# KiCad board TRX055.01.01.PB.00.00.kicad_pcb (continued)
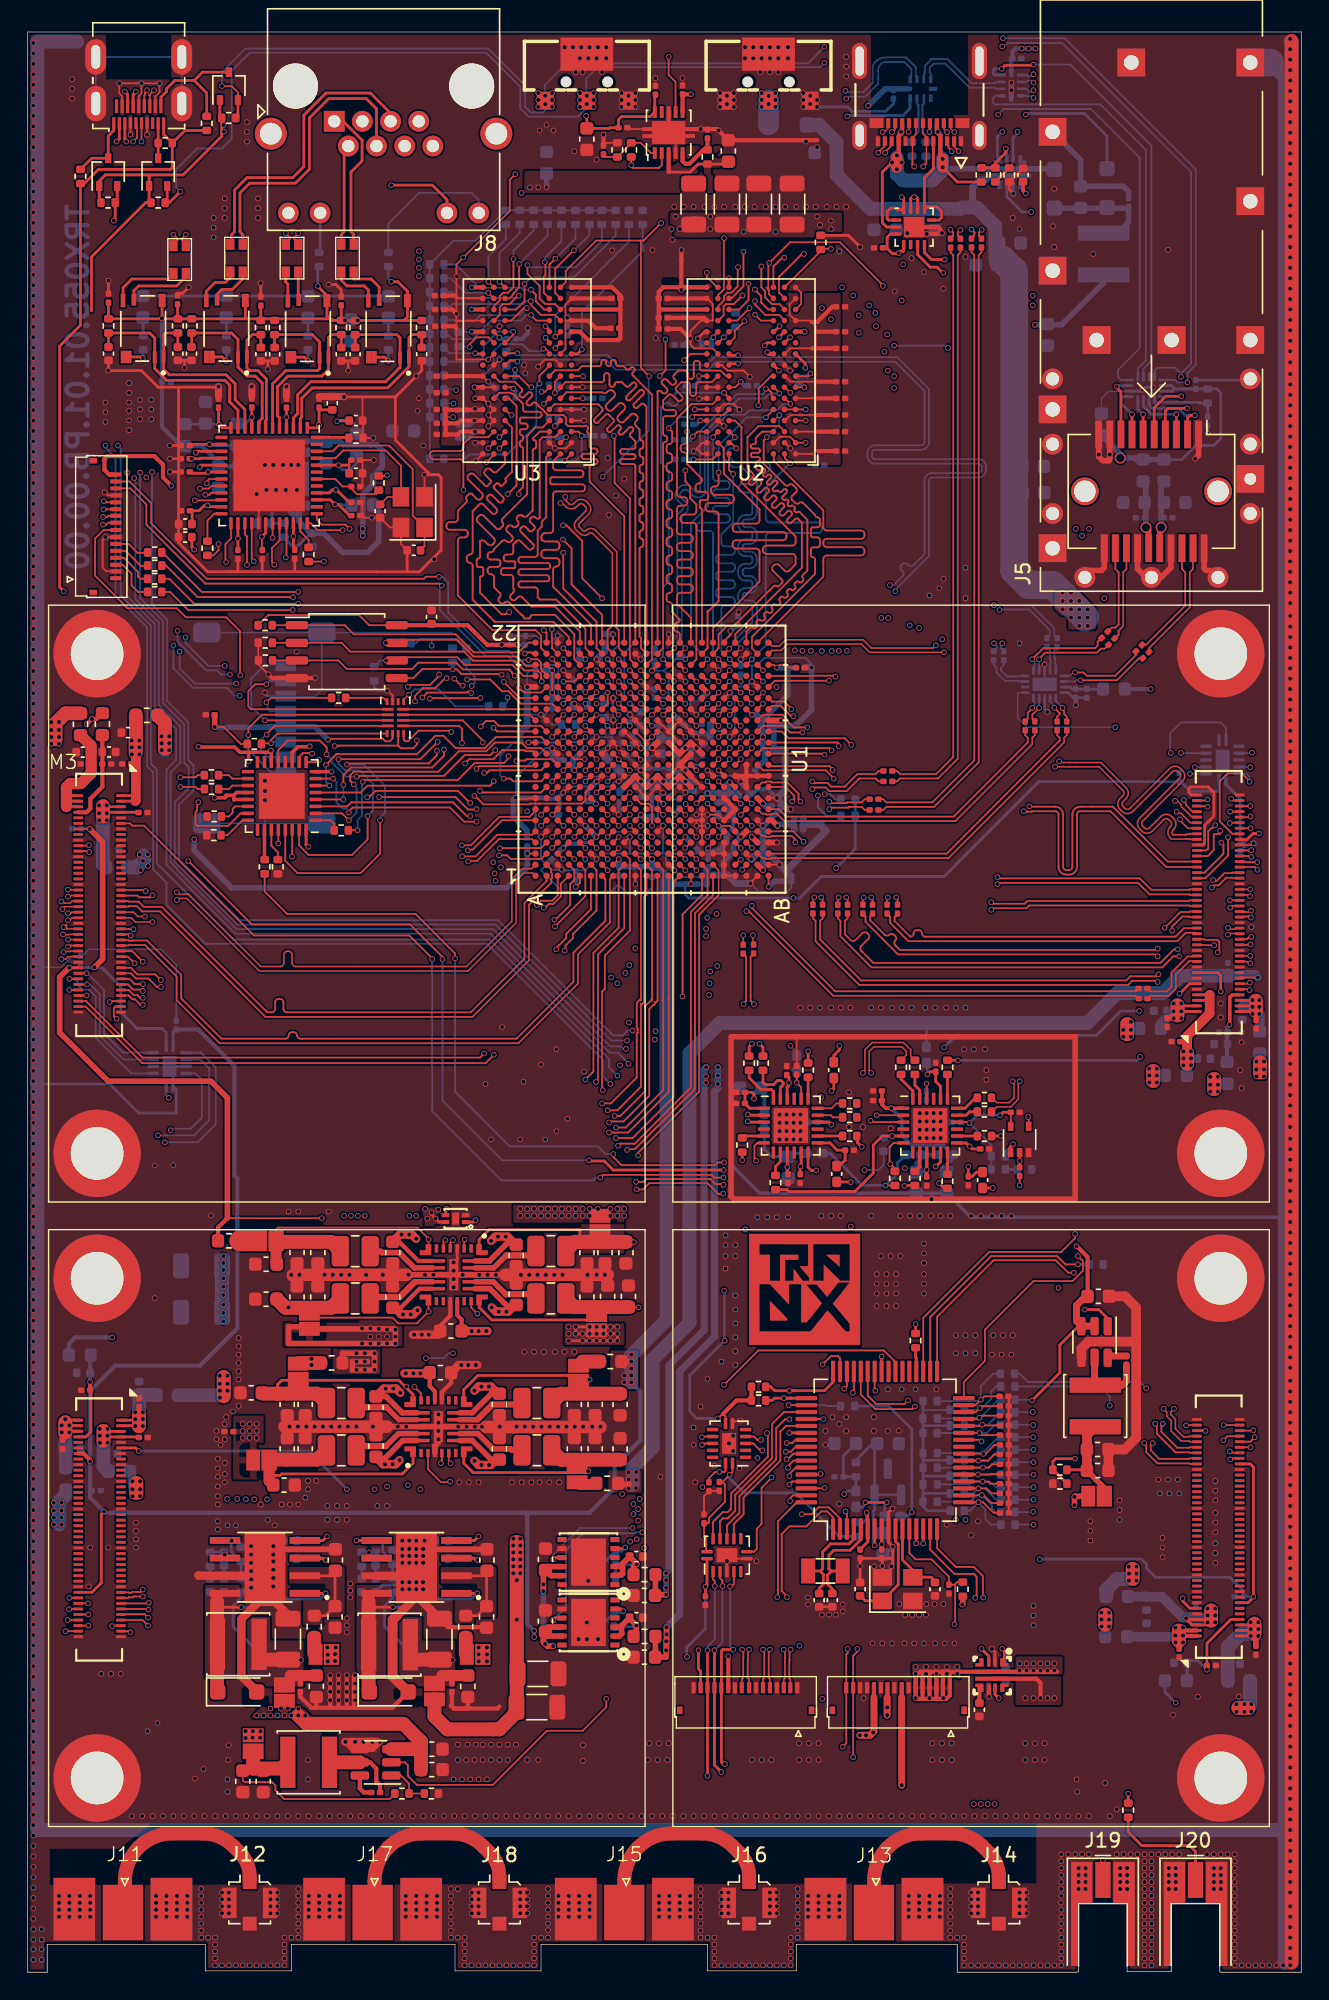
[diagram p0: board, top side]
## Routing (per net, layer and track width the routed paths; a pad name or vN(x,y) marks a point on that pad's centre or on a via; arc(x,y) is an arc through that point) (continued)
/TMDS_CLK_N: length 100.5
  Top w0.12: v1(31.3,81.2) 31.94,81.2 33.99,83.25 36.17,83.25 36.6,83.68 U1.A7
  Top w0.124: v1(9.1,135.6) 8.96,135.46 8.96,135.45 8.76,135.25 8.76,135.24 8.8,135.2 J7.14
  Top w0.127: v1(31.3,81.2) 31.3,81.2
  In2.Cu w0.106: v1(31.3,81.2) 31.24,81.15 22.85,81.15 19.88,84.11 19.88,90.06 20.22,90.4 20.22,96.39 18.4,98.21 14.93,98.21 10.61,102.52 5.78,102.52 5.26,103.05 5.25,103.05 5.05,103.25 5.05,103.26 4.96,103.35 4.96,106.85 arc(5.03,107.02) 5.2,107.09 5.34,107.09 arc(5.51,107.16) 5.58,107.33 5.58,107.45 arc(5.51,107.62) 5.34,107.69 5.2,107.69 arc(5.03,107.76) 4.96,107.93 4.96,109.12 arc(4.81,109.46) 4.47,109.61 arc(4.35,109.66) 4.3,109.78 4.3,110.12 arc(4.35,110.25) 4.47,110.3 arc(4.81,110.44) 4.96,110.78 4.96,112.64 arc(4.81,112.99) 4.47,113.13 arc(4.35,113.18) 4.3,113.3 4.3,113.64 arc(4.35,113.77) 4.47,113.82 5.41,113.82 arc(5.8,113.98) 5.96,114.37 5.96,114.57 arc(5.8,114.96) 5.41,115.13 4.47,115.13 arc(4.35,115.18) 4.3,115.3 4.3,115.64 arc(4.35,115.77) 4.47,115.82 arc(4.81,115.96) 4.96,116.3 4.96,123.6 arc(5.03,123.78) 5.2,123.85 9.56,123.85 arc(9.95,124.01) 10.11,124.4 10.11,124.6 arc(9.95,125) 9.56,125.16 5.2,125.16 arc(5.03,125.23) 4.96,125.4 4.96,125.78 10.06,130.88 10.06,132.66 9,133.71 9,135.5 v1(9.1,135.6)
/TMDS_CLK_P: length 99.8
  Top w0.12: U1.A6 34.19,83 32.07,80.88 31.77,80.88 v1(31.72,80.84)
  Top w0.124: J7.12 8.4,135.2 8.44,135.24 8.44,135.4 8.6,135.56 v1(8.6,135.6)
  Top w0.127: v1(31.72,80.84) 31.73,80.83
  In2.Cu w0.106: v1(31.72,80.84) 22.72,80.84 19.57,83.99 19.57,90.19 19.91,90.53 19.91,96.26 18.27,97.9 14.8,97.9 10.48,102.22 5.65,102.22 4.65,103.22 4.65,109.12 arc(4.6,109.25) 4.47,109.3 arc(4.13,109.44) 3.99,109.78 3.99,110.12 arc(4.13,110.46) 4.47,110.61 arc(4.6,110.66) 4.65,110.78 4.65,112.64 arc(4.6,112.77) 4.47,112.82 arc(4.13,112.96) 3.99,113.3 3.99,113.64 arc(4.13,113.99) 4.47,114.13 5.41,114.13 arc(5.58,114.2) 5.65,114.37 5.65,114.57 arc(5.58,114.75) 5.41,114.82 4.47,114.82 arc(4.13,114.96) 3.99,115.3 3.99,115.64 arc(4.13,115.99) 4.47,116.13 arc(4.6,116.18) 4.65,116.3 4.65,123.6 arc(4.81,124) 5.2,124.16 9.56,124.16 arc(9.73,124.23) 9.8,124.4 9.8,124.6 arc(9.73,124.78) 9.56,124.85 5.2,124.85 arc(4.81,125.01) 4.65,125.4 4.65,125.91 9.75,131.01 9.75,132.53 8.7,133.58 8.7,135.5 v1(8.6,135.6)
/TMDS_D0_N: length 93.1
  Top w0.12: U1.A5 36.36,81.96 33.84,81.96 32.27,80.4 v1(31.31,80.4)
  Top w0.124: J7.11 v1(8.2,131.9)
  In2.Cu w0.106: v1(31.31,80.4) 31.26,80.34 21.95,80.34 18.97,83.32 18.97,95.36 17.16,97.16 14.51,97.16 10,101.68 5.39,101.68 3.76,103.3 3.76,111.02 arc(3.83,111.19) 4,111.26 4.04,111.26 arc(4.21,111.33) 4.28,111.5 4.28,111.62 arc(4.21,111.79) 4.04,111.86 4,111.86 arc(3.83,111.93) 3.76,112.1 3.76,119.11 arc(3.6,119.5) 3.21,119.67 2.95,119.67 arc(2.78,119.74) 2.71,119.91 2.71,120.11 arc(2.78,120.29) 2.95,120.36 3.94,120.36 arc(4.28,120.5) 4.42,120.84 4.42,121.18 arc(4.28,121.53) 3.94,121.67 2.95,121.67 arc(2.78,121.74) 2.71,121.91 2.71,122.11 arc(2.78,122.29) 2.95,122.36 3.94,122.36 arc(4.28,122.5) 4.42,122.84 4.42,123.18 arc(4.28,123.53) 3.94,123.67 2.95,123.67 arc(2.78,123.74) 2.71,123.91 2.71,124.11 arc(2.78,124.29) 2.95,124.36 3.94,124.36 arc(4.28,124.5) 4.42,124.84 4.42,125.18 arc(4.28,125.53) 3.94,125.67 2.95,125.67 arc(2.78,125.74) 2.71,125.91 2.71,126.11 arc(2.78,126.29) 2.95,126.36 3.21,126.36 arc(3.6,126.52) 3.76,126.91 3.76,127.81 5.39,129.44 6.66,129.44 8.05,130.84 8.05,131.75 v1(8.2,131.9)
/TMDS_D0_P: length 93.1
  Top w0.12: U1.A4 36.36,81.64 33.97,81.64 32.4,80.08 31.79,80.08 v1(31.75,80.03)
  Top w0.124: v1(7.6,131.9) 7.87,132.17 7.87,133.15 J7.9
  In2.Cu w0.106: v1(31.75,80.03) 21.82,80.03 18.66,83.19 18.66,95.23 17.04,96.85 14.38,96.85 9.87,101.37 5.26,101.37 3.45,103.17 3.45,119.11 arc(3.38,119.29) 3.21,119.36 2.95,119.36 arc(2.56,119.52) 2.4,119.91 2.4,120.11 arc(2.56,120.5) 2.95,120.67 3.94,120.67 arc(4.06,120.72) 4.11,120.84 4.11,121.18 arc(4.06,121.31) 3.94,121.36 2.95,121.36 arc(2.56,121.52) 2.4,121.91 2.4,122.11 arc(2.56,122.5) 2.95,122.67 3.94,122.67 arc(4.06,122.72) 4.11,122.84 4.11,123.18 arc(4.06,123.31) 3.94,123.36 2.95,123.36 arc(2.56,123.52) 2.4,123.91 2.4,124.11 arc(2.56,124.5) 2.95,124.67 3.94,124.67 arc(4.06,124.72) 4.11,124.84 4.11,125.18 arc(4.06,125.31) 3.94,125.36 2.95,125.36 arc(2.56,125.52) 2.4,125.91 2.4,126.11 arc(2.56,126.5) 2.95,126.67 3.21,126.67 arc(3.38,126.74) 3.45,126.91 3.45,127.94 5.26,129.75 6.53,129.75 7.75,130.97 7.75,131.75 v1(7.6,131.9)
/TMDS_D1_N: length 99.8
  Top w0.127: U1.B7 v1(37,83.4)
  Top w0.2: J7.8 7.6,135.3 v1(7.8,135.5)
  In2.Cu w0.106: v1(7.8,135.5) 7.55,135.25 7.55,135.17 7.56,135.16 7.56,134.42 1.15,128.01 1.15,125.23 arc(1.21,125.08) 1.37,125.01 arc(1.53,124.95) 1.59,124.79 1.59,124.63 arc(1.53,124.48) 1.37,124.41 arc(1.21,124.35) 1.15,124.19 1.15,124.03 arc(1.21,123.88) 1.37,123.81 arc(1.53,123.75) 1.59,123.59 1.59,123.43 arc(1.53,123.28) 1.37,123.21 arc(1.21,123.15) 1.15,122.99 1.15,122.83 arc(1.21,122.68) 1.37,122.61 arc(1.53,122.55) 1.59,122.39 1.59,122.23 arc(1.53,122.08) 1.37,122.01 arc(1.21,121.95) 1.15,121.79 1.15,121.63 arc(1.21,121.48) 1.37,121.41 arc(1.53,121.35) 1.59,121.19 1.59,121.03 arc(1.53,120.88) 1.37,120.81 arc(1.21,120.75) 1.15,120.59 1.15,120.43 arc(1.21,120.28) 1.37,120.21 arc(1.53,120.15) 1.59,119.99 1.59,119.83 arc(1.53,119.68) 1.37,119.61 arc(1.21,119.55) 1.15,119.39 1.15,119.23 arc(1.21,119.08) 1.37,119.01 arc(1.53,118.95) 1.59,118.79 1.59,118.63 arc(1.53,118.48) 1.37,118.41 arc(1.21,118.35) 1.15,118.19 1.15,118.03 arc(1.21,117.88) 1.37,117.81 arc(1.53,117.75) 1.59,117.59 1.59,117.43 arc(1.53,117.28) 1.37,117.21 arc(1.21,117.15) 1.15,116.99 1.15,116.83 arc(1.21,116.68) 1.37,116.61 arc(1.53,116.55) 1.59,116.39 1.59,116.23 arc(1.53,116.08) 1.37,116.01 arc(1.21,115.95) 1.15,115.79 1.15,115.63 arc(1.21,115.48) 1.37,115.41 arc(1.53,115.35) 1.59,115.19 1.59,115.03 arc(1.53,114.88) 1.37,114.81 arc(1.21,114.75) 1.15,114.59 1.15,114.43 arc(1.21,114.28) 1.37,114.21 arc(1.53,114.15) 1.59,113.99 1.59,113.83 arc(1.53,113.68) 1.37,113.61 arc(1.21,113.55) 1.15,113.39 1.15,113.23 arc(1.2,113.11) 1.32,113.06 arc(1.44,113.01) 1.49,112.89 1.49,112.63 arc(1.44,112.51) 1.32,112.46 arc(1.2,112.41) 1.15,112.29 1.15,106.83 arc(1.22,106.67) 1.39,106.59 1.45,106.59 arc(1.62,106.52) 1.69,106.35 1.69,106.23 arc(1.62,106.07) 1.45,105.99 1.39,105.99 arc(1.22,105.92) 1.15,105.75 1.15,105.63 arc(1.21,105.48) 1.37,105.41 arc(1.53,105.35) 1.59,105.19 1.59,105.03 arc(1.53,104.88) 1.37,104.81 arc(1.21,104.75) 1.15,104.59 1.15,104.43 arc(1.21,104.28) 1.37,104.21 arc(1.53,104.15) 1.59,103.99 1.59,103.83 arc(1.53,103.68) 1.37,103.61 arc(1.21,103.55) 1.15,103.39 1.15,102.78 5.06,98.88 10.11,98.88 13.81,95.18 15.1,95.18 16.65,93.63 16.65,81.38 19.57,78.46 32,78.46 33.38,79.84 33.55,79.84
  In4.Cu w0.106: v1(37,83.4) 36.77,83.17 36.52,83.17 34.62,81.26 34.62,81.24 34.39,81.01 34.39,80.33 34.03,79.97 v1(33.55,79.97)
/TMDS_D1_P: length 93.3
  Top w0.127: U1.B6 v1(37,82.6)
  Top w0.2: v1(7,135.5) 7.2,135.3 J7.6
  In2.Cu w0.106: v1(34.1,79.61) 33.77,79.61 33.71,79.56 33.49,79.56 33.27,79.33 33.27,79.29 32.12,78.15 19.44,78.15 16.34,81.25 16.34,93.5 14.97,94.87 13.68,94.87 9.98,98.57 4.93,98.57 0.84,102.65 0.84,128.13 7.26,134.55 7.26,135.04 7.25,135.05 7.25,135.25 v1(7,135.5)
  In4.Cu w0.106: v1(37,82.6) 36.77,82.83 36.66,82.83 34.85,81.03 34.83,81.03 34.69,80.89 34.69,80.2 v1(34.1,79.61)
/TMDS_D2_N: length 95.6
  Top w0.127: v1(34.03,80.97) 34.05,81 37,81 U1.B4
  Top w0.2: J7.5 7,132
  In2.Cu w0.106: v1(7.1,131.9) 6.9,131.7 6.9,131.13 6.24,130.47 5.12,130.47 2.16,127.51 2.16,118.21 arc(2.23,118.04) 2.4,117.97 2.8,117.97 arc(2.97,117.9) 3.04,117.73 3.04,117.61 arc(2.97,117.44) 2.8,117.37 2.4,117.37 arc(2.23,117.3) 2.16,117.13 2.16,117.01 arc(2.23,116.84) 2.4,116.77 2.8,116.77 arc(2.97,116.7) 3.04,116.53 3.04,116.41 arc(2.97,116.24) 2.8,116.17 2.4,116.17 arc(2.23,116.1) 2.16,115.93 2.16,112.47 arc(2.05,112.2) 1.78,112.09 arc(1.73,112.07) 1.7,112.01 1.7,111.47 arc(1.73,111.42) 1.78,111.4 2.66,111.4 arc(3.05,111.23) 3.21,110.84 3.21,110.64 arc(3.05,110.25) 2.66,110.09 1.78,110.09 arc(1.73,110.07) 1.7,110.01 1.7,109.47 arc(1.73,109.42) 1.78,109.4 2.66,109.4 arc(3.05,109.23) 3.21,108.84 3.21,108.64 arc(3.05,108.25) 2.66,108.09 1.78,108.09 arc(1.73,108.07) 1.7,108.01 1.7,107.47 arc(1.73,107.42) 1.78,107.4 2.66,107.4 arc(3.05,107.23) 3.21,106.84 3.21,106.64 arc(3.05,106.25) 2.66,106.09 2.4,106.09 arc(2.23,106.01) 2.16,105.84 2.16,103.21 4.66,100.71 9.62,100.71 14.2,96.14 16.57,96.14 18.22,94.48 18.22,82.38 21.28,79.33 31.94,79.33 33.46,80.85 33.9,80.85 v1(34.03,80.97)
/TMDS_D2_P: length 93.6
  Top w0.127: U1.B3 37.01,80.21 34.82,80.21 34.55,80.47 v1(33.97,80.47)
  Top w0.2: v1(6.4,131.9) 6.6,132.1 J7.3
  In2.Cu w0.106: v1(6.4,131.9) 6.6,131.7 6.6,131.26 6.11,130.78 4.99,130.78 1.85,127.64 1.85,112.47 arc(1.83,112.42) 1.78,112.4 arc(1.51,112.28) 1.4,112.01 1.4,111.47 arc(1.51,111.2) 1.78,111.09 2.66,111.09 arc(2.83,111.01) 2.9,110.84 2.9,110.64 arc(2.83,110.47) 2.66,110.4 1.78,110.4 arc(1.51,110.28) 1.4,110.01 1.4,109.47 arc(1.51,109.2) 1.78,109.09 2.66,109.09 arc(2.83,109.01) 2.9,108.84 2.9,108.64 arc(2.83,108.47) 2.66,108.4 1.78,108.4 arc(1.51,108.28) 1.4,108.01 1.4,107.47 arc(1.51,107.2) 1.78,107.09 2.66,107.09 arc(2.83,107.01) 2.9,106.84 2.9,106.64 arc(2.83,106.47) 2.66,106.4 2.4,106.4 arc(2.01,106.23) 1.85,105.84 1.85,103.08 4.53,100.41 9.49,100.41 14.07,95.83 16.44,95.83 17.92,94.35 17.92,82.25 21.15,79.02 32.06,79.02 33.17,80.12 33.17,80.13 33.39,80.36 33.4,80.36 33.59,80.55 33.9,80.55 v1(33.97,80.47)
/ULPI_REF_CLK_24M: length 2.2
  Top w0.25: U12.26 17.06,80.17 R75.2
/ULPI_RESET: length 2.3
  Top w0.127: U12.27 17.56,81.16 18.03,80.7 R89.2
/USB_C/USB_CC1: length 7.9
  Top w0.2: U25.10 65.69,126.24 65.85,126.4 65.85,126.9 65.55,127.2 64.84,127.2 U25.11 64.64,129.3 65.28,129.94 J9.A5
/USB_C/USB_CC2: length 8.8
  Top w0.127: 63.53,132.81 J9.B5
  Top w0.2: U25.1 62.06,126.24 61.95,126.35 61.95,126.85 62.2,127.1 62.55,127.1 62.65,127 U25.14 63.14,127.83 63.07,127.9 v1(63,127.9)
  In2.Cu w0.2: 62.95,128.14 62.95,129.45 63.5,130 v1(63.5,132.6) ; 62.95,128.01 62.95,128.12 62.96,128.13
/USB_C/USB_IM_N: length 7
  Bottom w0.124: U9.7 69.81,135.7 69.73,135.79 67.89,135.79 66.16,137.52 65.3,137.52 65.01,137.23 65.01,136.87 65.1,136.79 U20.4
/USB_C/USB_IM_P: length 7.7
  Bottom w0.124: U9.8 69.81,136.2 69.73,136.11 68.02,136.11 66.29,137.85 65.6,137.85 65.7,137.85 65.15,137.85 65.07,137.77 65.07,137.75 64.69,137.37 64.69,136.87 64.6,136.79 U20.3
/USB_C/USB_RX1_N: length 40.8
  Top w0.1: 66.2,132.65 66.03,132.82 J9.B10
  In4.Cu w0.106: v1(66.28,132.58) 66.42,132.43 66.42,132.42 66.64,132.2 66.65,132.2 66.91,131.95 67.14,131.95 67.65,131.44 67.65,129.95 70.14,127.46 70.14,100.12 70.95,99.32 70.95,98.11 69.87,97.03 69.87,96.23 69.65,96.01 v1(69.65,95.75)
  Bottom w0.124: v1(69.65,95.75) 69.83,95.57 69.83,95.4 69.63,95.2 C266.2
/USB_C/USB_RX1_P: length 40.7
  Top w0.1: 66.75,132.6 66.53,132.82 J9.B11
  In4.Cu w0.106: v1(66.8,132.58) 66.8,132.49 67.04,132.25 67.26,132.25 67.9,131.62 67.9,131.52 67.95,131.46 67.95,130.08 70.45,127.59 70.45,100.25 71.25,99.45 71.25,97.99 70.17,96.91 70.17,96.23 70.18,96.22 70.18,95.82 v1(70.25,95.75)
  Bottom w0.124: C264.2 70.36,95.2 70.16,95.4 70.16,95.68 70.18,95.7 70.2,95.7 v1(70.25,95.75)
/USB_C/USB_RX2_N: length 12.6
  Top w0.124: 61.8,131.14 62.19,131.53 62.19,131.84 J9.A10 ; v1(68.77,125.54) 68.58,125.35 68.58,125.19 68.55,125.16 68.55,125.14 68.75,124.94 C270.2
  In4.Cu w0.106: v1(68.77,125.54) 68.54,125.77 68.54,127.06 66.25,129.35 62.38,129.35 61.7,130.03 61.7,131 v1(61.8,131.1)
/USB_C/USB_RX2_P: length 12.7
  Top w0.124: C269.2 68.03,124.94 68.23,125.14 68.23,125.29 68.25,125.31 68.25,125.35 v1(68.03,125.57) ; v1(61.3,131.1) 61.44,131.24 61.44,131.25 61.87,131.68 61.87,131.84 J9.A11
  In4.Cu w0.106: v1(68.03,125.57) 68.23,125.77 68.23,126.93 66.12,129.05 62.22,129.05 61.4,129.87 61.4,131 v1(61.3,131.1)
/USB_C/USB_TX1_N: length 40.7
  Top w0.124: J9.A3 66.28,131.73 66.37,131.64 66.37,131.47 66.6,131.24
  In4.Cu w0.106: v1(66.6,131.2) 66.7,131.1 66.7,129.75 69.34,127.11 69.34,99.31 69.75,98.9 69.75,98.6 v1(69.65,98.5)
  Bottom w0.124: v1(69.65,98.5) 69.66,98.51 72.32,98.51 73.99,96.84 73.99,96.32 C265.2
/USB_C/USB_TX1_P: length 40.3
  Top w0.124: J9.A2 66.78,131.73 66.69,131.64 66.69,131.62 66.96,131.35 66.96,131.34 v1(67.1,131.2)
  In4.Cu w0.106: v1(67.1,131.2) 67,131.1 67,129.88 69.65,127.24 69.65,99.5 70.15,99 70.15,98.25 v1(70.05,98.15)
  Bottom w0.124: v1(70.05,98.15) 70.09,98.19 72.18,98.19 73.67,96.7 73.67,96.32 C263.2
/USB_C/USB_TX2_N: length 14.1
  Top w0.124: C268.2 67.23,124.93 67.04,125.12 67.04,125.35 v1(67.23,125.54)
  Top w0.127: v1(62.3,132.58) 62.53,132.81 J9.B3
  In4.Cu w0.106: v1(62.3,132.58) 61.28,131.56 61.26,131.56 60.6,130.9 60.6,130.02 61.96,128.65 65.55,128.65 67.02,127.18 67.02,125.75 v1(67.23,125.54)
/USB_C/USB_TX2_P: length 14
  Top w0.1: J9.B2 62.03,132.88 61.73,132.58
  Top w0.124: v1(66.51,125.55) 66.71,125.35 66.71,125.12 66.52,124.93 C267.2
  In4.Cu w0.106: v1(66.51,125.55) 66.71,125.75 66.71,127.05 65.42,128.35 61.84,128.35 60.29,129.89 60.29,131.03 61.12,131.86 61.14,131.86 61.62,132.34 v1(61.62,132.58)
/USB_C/USBC_DM: length 4.1
  Top w0.1: J9.B6 64.03,132.43 63.78,132.18 J9.A7 63.78,130.22 v1(63.9,130.1)
  Bottom w0.2: v1(63.9,130.1) 63.75,130.25 R17.1
/USB_C/USBC_DP: length 4.2
  Top w0.1: J9.B7 64.53,132.47 64.78,132.22 J9.A6 64.78,130.33 v1(64.55,130.1)
  Bottom w0.2: v1(64.55,130.1) 64.75,130.3 R14.1
/USB_C/VCONN: length 2.2
  Top w0.2: U25.12 64.14,127.81 64,127.95 63.8,127.95 63.64,127.79 U25.13
  vias: v1(63.9,127.9)
/USB_N: length 121
  Top w0.127: R28.1 12.25,85.25 12.1,85.4 v1(11,85.4)
  In4.Cu w0.106: v1(59,135) 58.85,135.15 58.39,135.15 56.35,137.19 56.35,138.44 55.69,139.1 15.76,139.1 13.45,136.79 13.45,128.04 12.81,127.39 5.36,127.39 4.7,126.73 4.7,99.87 5.51,99.05 6.42,99.05 8.89,96.58 8.89,96.12 11.31,93.71 11.31,86.29 11.35,86.25 11.35,85.95 11.31,85.91 11.31,85.71 v1(11,85.4) 11,85.44
  Bottom w0.124: U20.1 63.6,136.55 63.69,136.64 63.69,137.13 63.18,137.64 61.83,137.64 arc(61.65,137.6) 61.5,137.5 arc(61.35,137.28) 61.3,137.02 61.3,136.06 60.37,135.14 59,135.14
/USB_P: length 121.3
  Top w0.127: R27.1 12.25,86.25 12.1,86.1 v1(11,86.1)
  In4.Cu w0.106: 58.85,135.45 v1(58.95,135.55) ; 58.85,135.45 58.85,135.65 ; 58.85,135.45 58.51,135.45 56.65,137.31 56.65,138.56 55.81,139.4 15.64,139.4 13.15,136.91 13.15,128.16 12.68,127.7 5.23,127.7 4.39,126.86 4.39,99.74 5.39,98.75 6.3,98.75 8.59,96.46 8.59,96 11,93.58 v1(11,86.1) 10.98,86.1
  Bottom w0.124: U20.2 64.1,136.55 64.01,136.64 64.01,137.27 63.32,137.97 61.86,137.97 arc(61.45,137.88) 61.1,137.65 arc(60.95,137.43) 60.9,137.17 60.9,136.13 60.24,135.46 59,135.46
/USB_REF_CLK_N: length 89.6
  Top w0.106: R80.2 69.52,63 69.87,62.65 70.74,62.65 71.1,63.01 71.1,64.1 v1(71,64.2)
  Top w0.124: 71.09,64.11 v1(71,64.2)
  In4.Cu w0.106: v1(72.5,135.05) 72.62,135.17 76.3,135.17 78.25,133.22 78.25,126.86 76.64,125.25 72.84,125.25 71.35,123.77 71.35,100.68 72.55,99.49 72.55,95.91 70.8,94.16 70.8,88.59 74.25,85.13 74.25,72.32 70.5,68.56 70.5,65.27 71.1,64.67 71.1,64.3 v1(71,64.2) 71.1,64.1
  Bottom w0.124: U9.4 71.99,135.2 72.03,135.16 72.39,135.16 v1(72.5,135.05)
/USB_REF_CLK_P: length 90.5
  Top w0.106: R81.2 69.52,62 69.87,62.35 70.86,62.35 71.4,62.89 71.4,64.1 v1(71.5,64.2)
  Top w0.124: 71.41,64.11 v1(71.5,64.2)
  In4.Cu w0.106: v1(72.5,135.6) 72.62,135.48 76.45,135.48 78.55,133.38 78.55,126.74 76.76,124.95 72.96,124.95 71.67,123.65 71.67,100.8 72.85,99.61 72.85,95.79 71.1,94.04 71.1,88.71 74.56,85.26 74.56,72.19 70.8,68.44 70.8,65.43 71.4,64.83 71.4,64.3 v1(71.5,64.2) 71.4,64.1
  Bottom w0.124: 72.39,135.49 72.2,135.49 71.99,135.7 U9.3
/USB_RX2_N: length 3.3
  Bottom w0.124: C266.1 69.63,94.18 69.83,93.98 69.83,93.66 70.45,93.04 71.42,93.04 71.45,93 U26.8
/USB_RX2_P: length 2.8
  Bottom w0.124: U26.9 71.45,93.4 71.42,93.36 70.59,93.36 70.16,93.79 70.16,93.98 70.36,94.18 C264.1
/USB_SPEC_N: length 79
  Top w0.127: v1(88.07,70.78) 88.03,70.83 M1.10
  In4.Cu w0.106: v1(72.5,136.75) 72.65,136.6 77.16,136.6 82,131.76 82,128.31 90,120.31 90,71.74 89.16,70.9 88.2,70.9 v1(88.07,70.78)
  Bottom w0.124: v1(72.5,136.75) 72.36,136.61 72.07,136.61 71.99,136.7 U9.1
/USB_SPEC_P: length 78
  Top w0.127: M1.12 88.03,71.22 v1(88.1,71.3)
  In4.Cu w0.106: v1(72.5,136.15) 72.65,136.3 77.04,136.3 81.7,131.64 81.7,128.19 89.7,120.19 89.7,71.86 89.04,71.2 88.2,71.2 v1(88.1,71.3)
  Bottom w0.124: U9.2 71.99,136.2 72.07,136.29 72.36,136.29 v1(72.5,136.15)
/USB_SW_S1: length 45.5
  In4.Cu w0.127: v1(59.08,133.72) 59.15,133.8 69.9,133.8 v1(69.95,133.85)
  Bottom w0.127: U22.8 78.83,114.72 78.6,114.95 78.6,115.45 80.15,117 80.15,130.75 76.65,134.25 70.35,134.25 v1(69.95,133.85)
  Bottom w0.2: 63.6,135.03 63.6,134.28 63.09,133.78 59.1,133.78
/USB_SW_S2: length 31.9
  Top w0.2: 72.55,137.5 72.45,137.4 70.45,137.4 v1(70.2,137.15)
  Bottom w0.127: U22.10 80.43,115.53 81,116.1 81,131.6 75.15,137.45 v1(72.5,137.45)
  Bottom w0.2: v1(70.2,137.15) 69.7,137.15 69.6,137.05 69.6,136.77 69.67,136.7 U9.9
/USB_SW_S2_OE: length 30
  Bottom w0.127: U9.6 69.76,135.2 69.59,135.03 69.59,134.69 69.7,134.58 77.32,134.58 80.6,131.3 80.6,116.13 80.03,115.56 U22.9
/USB_TX2_N: length 1.8
  Bottom w0.124: C265.1 74,95.28 74,94.74 74.06,94.68 74.06,94.28 74.1,94.25 U26.14
/USB_TX2_P: length 1.8
  Bottom w0.124: U26.13 73.7,94.25 73.74,94.28 73.74,94.55 73.68,94.61 73.68,95.28 73.47,95.48
/USB_VUSB: length 33.8
  Top w0.127: 65.64,132.65 v1(65.6,132.6)
  Top w0.2: U25.2 61.91,125.74 61.62,126.03 61.62,126.19 61.6,126.21 61.6,129.7 v1(62.3,130.4) ; R98.2 67.01,128.99 v1(65.95,130.05)
  Top w0.3: 62.9,132.4 62.78,132.28 J9.A9 62.78,130.88 62.65,130.75 ; v1(65.95,130.65) 65.78,130.82 J9.A4 65.78,132.33 65.53,132.58 J9.B9 ; J9.B4 63.03,132.55 62.88,132.4
  Top w0.8: 62.65,130.75 62.65,130.05 ; v1(65.95,130.65) v1(65.95,130.05)
  In2.Cu w0.4: v1(65.95,130.05) 66,130
  Bottom w0.3: v1(62.95,132.6) 62.8,132.45 62.8,131.3 62.65,131.15 62.65,130.75 ; v1(65.6,132.6) 65.8,132.4 65.8,131.2 65.95,131.05 v1(65.95,130.65)
  Bottom w0.4: D1.2 73.97,129.94 U27.5 66.06,129.94 v1(65.95,130.05)
  Bottom w1: 62.65,130.75 62.65,129.55 63.1,129.1 65.2,129.1 65.95,129.85 v1(65.95,130.65)
  vias: v1(62.65,130.9) v1(62.65,129.9) v1(63,130.4)
/ZYNQ_Bank_112/REFCLK0_N: length 41.2
  Top w0.124: v1(52.2,76.85) 52.2,76.68 58.2,70.68 79.88,70.68 C106.2
  Top w0.127: U1.V9 v1(49.8,85.8)
  In2.Cu w0.106: v1(52.2,76.85) 52.02,76.85 51.05,77.81 51.05,80.6 51.05,80.61 51.05,80.61 50.5,81.16 50.5,83.26 50.22,83.55 50.22,85.05 49.8,85.47 v1(49.8,85.8)
/ZYNQ_Bank_112/REFCLK0_P: length 41.9
  Top w0.124: C104.2 79.88,70.35 58.07,70.35 51.97,76.45 v1(51.8,76.45)
  Top w0.127: v1(49,85.8) U1.U9
  In2.Cu w0.106: 49.88,84.9 49.88,83.45 50.2,83.14 50.2,81.04 50.75,80.49 50.75,77.69 51.8,76.63 v1(51.8,76.45) ; v1(49,85.8) 49.88,84.92
/ZYNQ_Bank_112/REFCLK1_N: length 9.7
  Top w0.106: C107.2 52.28,74.09 v1(52.28,74.72)
  Top w0.127: U1.V5 v1(49.8,81.8)
  In2.Cu w0.106: v1(49.8,81.8) 49.64,81.64 49.64,81.56 49.95,81.24 49.95,80.01 50.4,79.56 50.4,77.06 52.07,75.4 52.07,74.73 52.28,74.53
/ZYNQ_Bank_112/REFCLK1_P: length 9.8
  Top w0.106: v1(51.58,74.72) C105.2
  Top w0.127: 49.48,82.2 U1.U5 v1(49,81.8)
  In2.Cu w0.106: v1(49,81.8) 49.42,81.38 49.42,81.34 49.65,81.11 49.65,79.89 50.1,79.44 50.1,76.94 51.76,75.27 51.76,74.71 51.59,74.54
/ZYNQ_Bank_112/RX0_N: length 22.1
  Top w0.124: U1.AB7 54.13,83.8 54.67,83.26 66.73,83.26 72.09,88.62 72.09,88.95 71.9,89.13 C91.2
/ZYNQ_Bank_112/RX0_P: length 23.6
  Top w0.124: C90.2 72.6,89.13 72.41,88.95 72.41,88.48 66.87,82.94 54.53,82.94 54,83.47 53.63,83.47 53.56,83.41 53.24,83.41 53.17,83.47 52.93,83.47 U1.AA7
/ZYNQ_Bank_112/RX1_N: length 10.5
  Top w0.124: C89.2 60.33,84.52 60.11,84.29 59.07,84.29 59.01,84.23 57.91,84.23 57.8,84.34 v1(57.78,84.34)
  Top w0.127: U1.Y8 v1(52.2,84.2)
  In2.Cu w0.106: v1(57.78,84.34) 57.78,84.3 57.69,84.21 57,84.21 55.91,85.3 52.71,85.3 52.2,84.79 v1(52.2,84.2)
/ZYNQ_Bank_112/RX1_P: length 11.6
  Top w0.124: v1(57.78,83.8) 57.8,83.8 57.91,83.91 59.14,83.91 59.2,83.97 60.11,83.97 60.33,83.74 C88.2
  Top w0.127: U1.W8 v1(51.4,84.2)
  In2.Cu w0.106: v1(51.4,84.2) 51.83,83.77 52.37,83.77 52.61,84.01 52.61,84.74 52.87,85 55.68,85 55.68,84.99 55.79,84.99 56.88,83.91 57.69,83.91 57.78,83.82 v1(57.78,83.8)
/ZYNQ_Bank_112/RX2_N: length 13.3
  Top w0.124: v1(55.1,84.35) 55.24,84.49 55.24,84.78 54.62,85.4 U1.AB9
  Top w0.127: C93.2 61.95,77.4 v1(62,77.45)
  In2.Cu w0.106: v1(62,77.45) 62.15,77.6 62.15,77.84 56.15,83.83 55.62,83.83 v1(55.1,84.35)
/ZYNQ_Bank_112/RX2_P: length 14.8
  Top w0.124: U1.AA9 52.93,85.73 53.17,85.73 53.24,85.79 53.56,85.79 53.63,85.73 54.75,85.73 55.56,84.92 55.56,84.49 v1(55.7,84.35)
  Top w0.127: C92.2 62.7,77.35 v1(62.6,77.45)
  In2.Cu w0.106: v1(55.7,84.35) 55.7,84.19 55.75,84.14 56.28,84.14 62.45,77.96 62.45,77.6 v1(62.6,77.45)
/ZYNQ_Bank_112/RX3_N: length 12.7
  Top w0.106: v1(52.2,82.6) U1.Y6
  Top w0.127: v1(60.25,77.45) 60.2,77.4 C95.2
  In2.Cu w0.106: v1(60.25,77.45) 60.37,77.57 60.37,78.41 55.64,83.15 52.38,83.15 52.2,82.96 v1(52.2,82.6)
/ZYNQ_Bank_112/RX3_P: length 14
  Top w0.106: v1(51.4,82.6) U1.W6
  Top w0.127: v1(60.8,77.45) 60.9,77.35 C94.2
  In2.Cu w0.106: v1(60.8,77.45) 60.68,77.57 60.68,78.54 55.76,83.45 55.19,83.45 55.16,83.42 54.84,83.42 54.81,83.45 52.25,83.45 v1(51.4,82.6)
/ZYNQ_Bank_112/TX0_N: length 25.2
  Top w0.124: C97.2 74.2,89.13 74.39,88.95 74.39,88.75 66.24,80.6 U1.AB3
/ZYNQ_Bank_112/TX0_P: length 26.7
  Top w0.124: C96.2 74.9,89.13 74.71,88.95 74.71,88.61 66.37,80.27 53.63,80.27 53.56,80.21 53.24,80.21 53.17,80.27 52.93,80.27 U1.AA3
/ZYNQ_Bank_112/TX1_N: length 17.2
  Top w0.124: C98.2 61.33,85.8 61.12,86.01 59.94,86.01 59.03,85.1 57.78,85.1 57.51,85.36 56.66,85.36 v1(56.55,85.25)
  Top w0.127: U1.Y4 v1(52.2,81)
  In2.Cu w0.106: 55.25,85.65 52.18,85.65 51.67,85.14 51.41,85.14 ; 55.25,85.65 56,85.65 56.4,85.25 ; 55.25,85.65 55.3,85.65 ; v1(52.2,81) 51.78,81.42 51.13,81.42 51.05,81.5 51.05,81.65 51.05,81.65 51.05,81.95 51.05,81.95 51.05,82.45 51.05,82.45 51.05,82.75 51.05,82.75 51.05,83.25 51.05,83.25 51.05,83.55 51.05,83.55 51.05,84.05 51.05,84.05 51.05,84.35 51.05,84.35 51.05,84.78 51.41,85.14 ; 51.16,84.89 51.41,85.14
/ZYNQ_Bank_112/TX1_P: length 17.4
  Top w0.124: C99.2 61.33,86.55 61.12,86.34 59.81,86.34 58.89,85.43 57.91,85.43 57.65,85.69 56.66,85.69 v1(56.55,85.8)
  Top w0.127: U1.W4 v1(51.4,81)
  In2.Cu w0.106: v1(51.4,81) 51.3,81.1 51.05,81.1 50.71,81.44 50.71,83.35 50.7,83.36 50.7,84.87 51.28,85.45 ; 50.94,85.11 51.28,85.45 ; 51.28,85.45 51.55,85.45 51.75,85.65 52.05,85.95 56.3,85.95 56.45,85.8
/ZYNQ_Bank_112/TX2_N: length 8.8
  Top w0.124: v1(55.93,81.46) 55.19,82.2 U1.AB5
  Top w0.127: C100.2 59.1,77.35 v1(59,77.45)
  In2.Cu w0.106: v1(59,77.45) 58.88,77.57 58.88,77.84 55.76,80.96 55.76,81.29 v1(55.93,81.46)
/ZYNQ_Bank_112/TX2_P: length 9.1
  Top w0.124: v1(55.33,81.41) 55.33,81.6 55.05,81.87 53.63,81.87 53.56,81.81 53.24,81.81 53.17,81.87 52.93,81.87 U1.AA5
  Top w0.127: v1(58.45,77.45) 58.39,77.39 C101.2
  In2.Cu w0.106: v1(55.33,81.41) 55.45,81.29 55.45,80.83 58.57,77.71 58.57,77.57 v1(58.45,77.45)
/ZYNQ_Bank_112/TX3_N: length 7.6
  Top w0.127: v1(51.49,79.43) 51.49,79.49 U1.Y2 ; C102.2 56.6,77.35 v1(56.7,77.45)
  In2.Cu w0.106: v1(56.7,77.45) 56.8,77.55 56.8,77.89 56.04,78.65 52.64,78.65 51.69,79.6 51.66,79.6 v1(51.49,79.43)
/ZYNQ_Bank_112/TX3_P: length 8.5
  Top w0.127: C103.2 57.3,77.35 v1(57.2,77.45) ; U1.W2 51.35,80.15 v1(51.41,80.15) 51.43,80.14
  In2.Cu w0.106: 51.41,80.01 v1(51.41,80.15) 51.66,79.9 51.81,79.9 52.76,78.95 56.16,78.95 57.1,78.01 57.1,77.55 v1(57.2,77.45)
/Zynq_PSMIO/MIO_QSPI_CS: length 20.1
  Top w0.127: 19.35,97.06 22.84,97.06 23.5,96.4 30.85,96.4 32.15,95.1 35.4,95.1 36.1,95.8 U1.A22 ; R151.1 17.62,97.06 U14.1
/Zynq_PSMIO/MIO_QSPI_FB: length 11.5
  Top w0.127: U1.D18 39.01,92.6 v1(39.4,92.21) 39.79,92.6 U1.E18
  In4.Cu w0.127: v1(32,92.68) 32.07,92.75 32.8,92.75 33.25,92.3 34.51,92.3 35.31,93.1 36.02,93.1 36.53,92.59 39.02,92.59 v1(39.4,92.21)
  Bottom w0.127: R153.1 31.62,93.94 32.22,93.34 32.22,92.9 v1(32,92.68)
/Zynq_PSMIO/MIO_QSPI_IO0: length 12.1
  Top w0.127: v1(35.83,95.02) 35.91,95.1 36.3,95.1 36.4,95 U1.A21 ; 26.65,93.25 27.8,93.25 28.45,93.9 30.89,93.9 31.25,93.54 33.96,93.54 34.01,93.49 v1(34.16,93.49)
  In4.Cu w0.127: v1(34.16,93.49) 34.1,93.55 34.1,94.05 34.65,94.6 35.5,94.6 35.83,94.93 v1(35.83,95.02)
  Bottom w0.127: R149.2 30.63,94.38 v1(30.63,93.88) 30.64,93.87
/Zynq_PSMIO/MIO_QSPI_IO1: length 26.8
  Top w0.127: 19.4,95.78 17.64,95.78 R148.2 ; v1(41,92.22) 40.6,91.83 U1.F17 ; v1(37.05,93) 37.05,93.18 37,93.23 37,93.56 36.76,93.79 35.8,93.79 35.09,94.5 32.1,94.5 31.45,95.15 23.25,95.15 22.61,95.78 19.35,95.78
  In2.Cu w0.127: v1(37.05,93) 37.08,93.03
  In3.Cu w0.127: v1(37.05,93) 37.05,92.03 37.3,91.78 40.56,91.78 v1(41,92.22)
/Zynq_PSMIO/MIO_QSPI_IO2: length 23.5
  Top w0.127: R147.2 17.64,94.52 U14.3 ; U1.E19 39.41,93.01 38.65,93.01 v1(38.62,92.98) ; 19.35,94.52 22.39,94.52 23,93.9 27.7,93.9 28.15,94.35 30.89,94.35 31.38,93.86 34.71,93.86 34.9,93.67 34.9,93.61 v1(35.1,93.41)
  In2.Cu w0.127: 38.59,93.01 38.3,93.3 37.58,93.3 37.37,93.51 35.81,93.51 35.8,93.5 35.4,93.5 35.31,93.41 v1(35.1,93.41)
/Zynq_PSMIO/MIO_QSPI_IO3: length 11.7
  Top w0.127: 26.65,95.78 26.88,96.01 30.92,96.01 32.13,94.8 35.25,94.8 35.95,94.1 36.5,94.1 U1.A20
  Bottom w0.127: R146.1 25.83,95.76 v1(25.81,95.78)
/Zynq_PSMIO/MIO_QSPI_SCLK: length 11.7
  Top w0.127: 26.65,94.52 26.89,94.75 30.95,94.75 31.5,94.2 34.93,94.2 35.73,93.4 U1.A19
  Bottom w0.127: R150.2 25.42,94.51 v1(25.83,94.51)
/Zynq_PSMIO/MIO_RGMII_RX0: length 38.5
  Top w0.127: U1.F9 40.2,85 40.2,84.44 39.96,84.2 36.85,84.2 ; 36.85,84.2 36.2,84.2 36.15,84.15 32.85,84.15 32.25,84.75 v1(32.2,84.75) ; 36.85,84.2 36.8,84.2 ; U11.32 18.15,103.15 17.6,102.6 17.6,101.59 v1(17.78,101.41)
  In2.Cu w0.127: v1(17.78,101.41) 18.19,101 19.58,101 24.58,96 24.58,88.62 28.2,85 31.95,85 v1(32.2,84.75)
/Zynq_PSMIO/MIO_RGMII_RX1: length 28
  Top w0.127: U1.A14 33.84,89.4 v1(33.57,89.66) ; v1(17.65,103.35) U11.31
  In2.Cu w0.127: v1(17.65,103.35) 17.65,103.11 17.71,103.05 21.81,103.05 27.1,97.76 27.1,94.17 30.5,90.76 30.77,90.49 30.83,90.49 30.86,90.47 32.76,90.47 v1(33.57,89.66)
/Zynq_PSMIO/MIO_RGMII_RX2: length 35.4
  Top w0.127: U11.28 16.15,101.8 v1(16.29,101.66) ; U1.B9 37,85 32.71,85 v1(32.6,85.11)
  In2.Cu w0.127: v1(16.29,101.66) 16.76,101.66 16.88,101.78 17.97,101.78 18.35,101.4 18.4,101.4 18.4,101.4 19.51,101.4 24.86,96.04 24.86,88.72 28.28,85.3 32.41,85.3 v1(32.6,85.11)
/Zynq_PSMIO/MIO_RGMII_RX3: length 42.7
  Top w0.127: U11.27 15.65,103.6 15.8,103.45 v1(15.8,101.4) ; U1.F10 v1(40.2,85.8)
  In2.Cu w0.127: v1(40.2,85.8) 40.2,85.08 39.4,84.28 39.12,84.28 39.12,84.27 38.23,84.27 38.13,84.17 37.39,84.17 37.18,84.37 35.82,84.37 35.36,83.91 34.24,83.91 32.83,82.5 29.49,82.5 24.33,87.66 24.33,95.93 19.54,100.72 16.47,100.72 v1(15.8,101.4)
/Zynq_PSMIO/MIO_RGMII_RX_CLK: length 29.1
  Top w0.127: U1.B11 37,86.6 33.29,86.6 33.1,86.41 v1(32.9,86.41) ; v1(21.35,101.64) R56.1
  In2.Cu w0.127: v1(21.35,101.64) 22.25,101.64 26.41,97.48 26.41,88.49 28.7,86.2 32.69,86.2 v1(32.9,86.41)
/Zynq_PSMIO/MIO_RGMII_RX_CTL: length 33.5
  Top w0.127: U11.33 18.65,101.99 v1(18.6,101.94) ; U1.C10 v1(37.8,85.8)
  In2.Cu w0.127: v1(37.8,85.8) 34.7,85.8 34.35,85.45 33.14,85.45 33.01,85.58 28.42,85.58 25.09,88.91 25.09,96.14 19.38,101.85 18.69,101.85 v1(18.6,101.94)
/Zynq_PSMIO/MIO_RGMII_TX0: length 39
  Top w0.127: v1(12.91,107.28) 12.91,107.41 13.09,107.59 U11.19 ; U1.E15 v1(40.2,90.6)
  In2.Cu w0.127: v1(12.91,107.28) 12.91,106.89 13.12,106.68 14.14,106.68 15.27,105.55 19.95,105.55 27.55,97.95 27.55,97.25 27.55,94.36 30.96,90.95 33.4,90.95 34.4,89.95 39.75,89.95 40.2,90.4 v1(40.2,90.6)
/Zynq_PSMIO/MIO_RGMII_TX1: length 41
  Top w0.127: U1.A12 36.42,87.98 35.88,87.98 35.81,88.05 34.21,88.05 34.06,87.9 34.06,87.9 33.85,87.69 33.85,87.69 33.56,87.4 31.83,87.4 v1(31.53,87.1) ; v1(12.4,106.9) 12.45,106.85 12.55,106.85 12.6,106.9 13.05,106.9 13.24,107.09 U11.20
  In2.Cu w0.127: v1(12.4,106.9) 12.4,105.3 14.9,102.8 21.73,102.8 26.87,97.66 26.87,88.68 28.74,86.8 31.22,86.8 v1(31.53,87.1)
/Zynq_PSMIO/MIO_RGMII_TX2: length 38.3
  Top w0.127: v1(12.8,106.45) 13.1,106.45 13.25,106.6 13.26,106.59 U11.21 ; U1.F14 40.58,89.4 v1(40.18,89.8)